# Altium PCB Copy of GameBoard_V1I1_083018.PcbDoc (part 19 of 21) (continued)
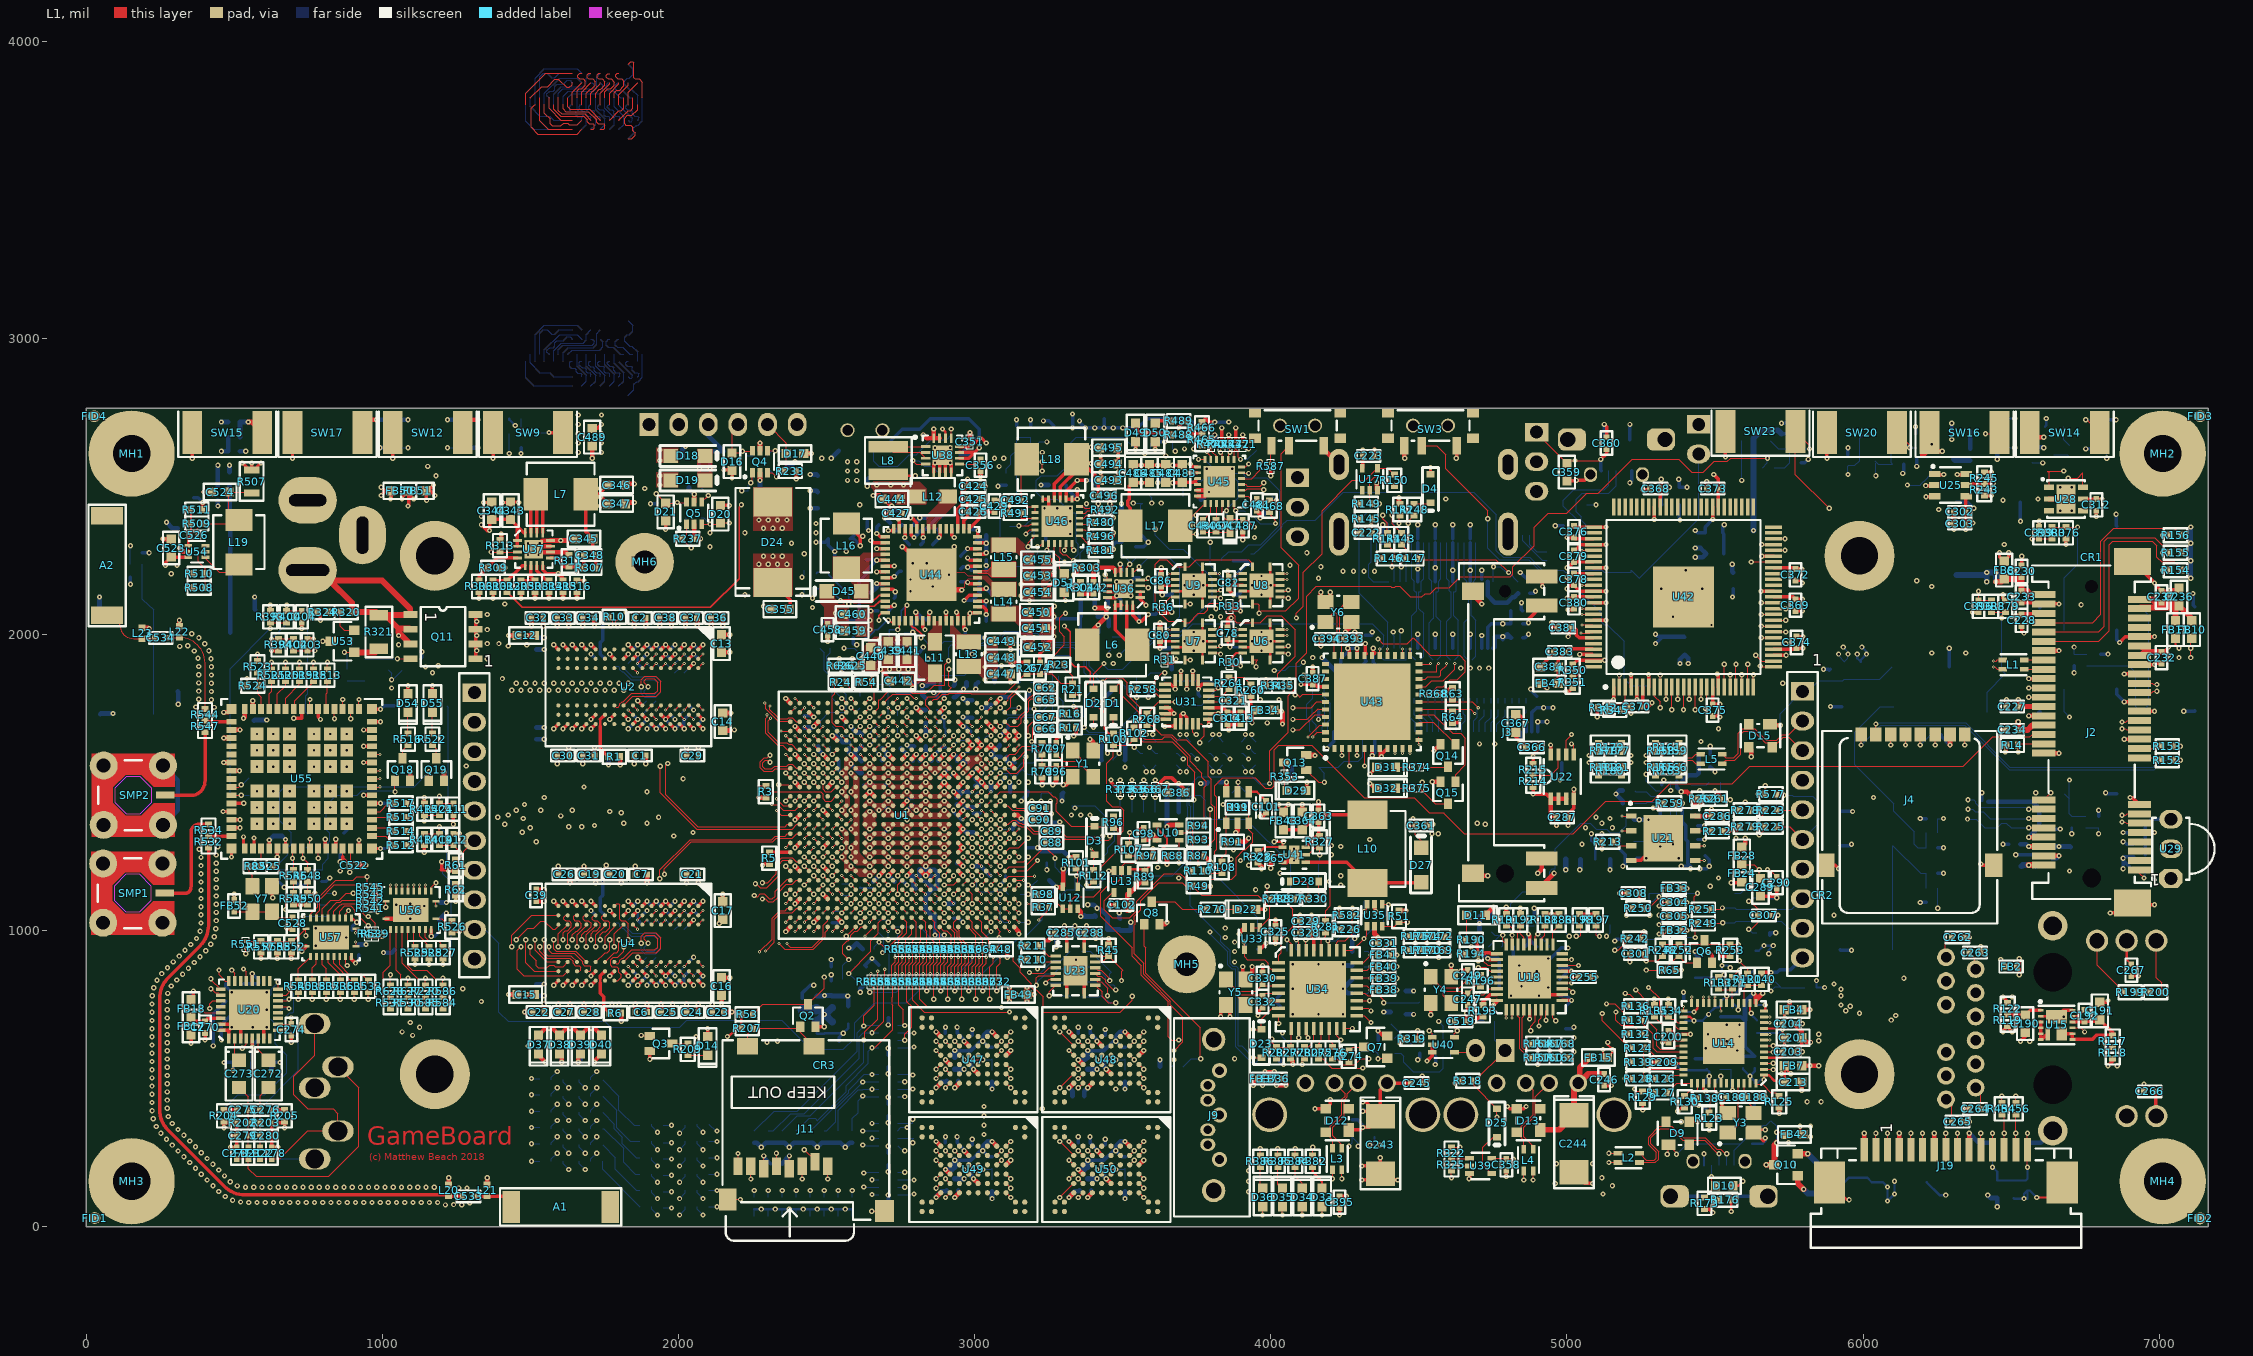
[diagram p0: L1 view]
## Nets (pads, with @x,y where several pads share a name; then routed paths per layer and width w, separated by ;. In a path a pad name is that pad's centre, name@x,y a point inside that pad or via, vN(x,y) a via of type N, cw(c..) or ccw(c..) an arc to the next point about the centre after c; other vN are vias at no path point) (continued)
  L11 w3.94: v5(4181.1,1803.15) v6(4181.1,1822.83)
  L12 w3.94: v6(4181.1,1822.83) D30.5@4181.1,1801.18 4181.1,1787.4 4200.79,1767.72 4200.79,1712.6 4192.91,1704.72 LCD1.37@4192.91,1671.26 ; C333.1@4401.57,799.21 v1(4425.2,799.21)
TS_X+_B: FB38.1 R290.2 U34.21 | length 106.5
  L1 w3.94: U34.21@4290.35,813.98 4323.82,813.98 v1(4338.58,799.21) FB38.1@4362.2,799.21
  L12 w3.94: R290.2@4314.96,787.4 4326.77,787.4 v1(4338.58,799.21)
TS_X-: C334.1 D30.1 FB39.2 LCD1.38 | length 1349.7
  L1 w3.94: FB39.2@4401.57,838.58 v1(4425.2,838.58)
  L10 w3.94: v5(4149.61,1779.53) 4149.61,1774.8 4145.92,1771.11 4145.92,1764.15 4129.02,1747.25 4129.02,1742.51 4121.06,1734.56 4121.06,1732.81 4120.54,1732.28 4121.06,1731.76 4121.06,1693.44 4118.11,1690.48 4118.11,1583.35 4170.95,1530.51 4193.74,1530.51 4358.27,1365.98 4358.27,1355.01 4407.7,1305.58 4407.7,1144.96 4417.32,1135.34 4417.32,1062.32 4393.03,1038.02 4393.03,1003.94 4455.71,941.25 4455.71,907.95 4442.45,894.68 4421.05,894.68 4410.43,884.07 4410.43,853.35 v1(4425.2,838.58)
  L11 w3.94: v5(4149.61,1779.53) v6(4169.29,1779.53)
  L12 w3.94: v6(4169.29,1779.53) 4182.6,1766.22 D30.1@4182.6,1742.12 4182.6,1700.31 4173.23,1690.94 LCD1.38@4173.23,1671.26 ; C334.1@4401.57,838.58 v1(4425.2,838.58)
TS_X-_B: FB39.1 R291.2 U34.22 | length 96.3
  L1 w3.94: U34.22@4290.35,839.57 4337.6,839.57 v1(4338.58,838.58) FB39.1@4362.2,838.58
  L12 w3.94: R291.2@4314.96,839.57 4337.6,839.57 v1(4338.58,838.58)
TS_Y+: C336.1 D30.4 FB41.2 LCD1.40 | length 1346.3
  L1 w3.94: FB41.2@4401.57,917.32 v1(4425.2,917.32)
  L10 w3.94: v5(4157.48,1807.09) 4149.02,1798.62 4141.7,1798.62 4129.92,1786.85 4129.92,1770.42 4113.27,1753.77 4113.27,1749.04 4105.31,1741.08 4105.31,1739.33 4102.36,1736.38 4102.36,1728.19 4105.31,1725.24 4105.31,1699.96 4102.36,1697.01 4102.36,1576.83 4164.43,1514.76 4187.22,1514.76 4342.52,1359.46 4342.52,1342.12 4360.29,1324.34 4360.29,1119.83 4331.01,1090.55 4331.01,1029.13 4414.76,945.38 4414.76,924.5 4419.37,919.89 4425.89,919.89 4430.51,924.5 4433.07,921.94 4428.46,917.32 v1(4425.2,917.32)
  L11 w3.94: v6(4141.73,1822.83) v5(4157.48,1807.09)
  L12 w3.94: LCD1.40@4133.86,1671.26 4132.36,1672.76 4132.36,1706.22 4122.05,1716.54 4122.05,1763.78 4141.73,1783.46 D30.4@4141.73,1801.18 v6(4141.73,1822.83) ; C336.1@4401.57,917.32 v1(4425.2,917.32)
TS_Y+_B: FB41.1 R293.2 U34.24 | length 111.4
  L1 w3.94: U34.24@4290.35,890.75 4312.01,890.75 v1(4338.58,917.32) FB41.1@4362.2,917.32
  L12 w3.94: R293.2@4314.96,929.13 4326.77,929.13 v1(4338.58,917.32)
TS_Y-: C335.1 D30.3 FB40.2 LCD1.39 | length 1237.1
  L1 w3.94: FB40.2@4401.57,877.95 v1(4425.2,877.95)
  L10 w3.94: v5(4140.24,1742.6) 4128.94,1731.3 4128.94,1690.18 4125.98,1687.22 4125.98,1586.61 4174.21,1538.39 4197,1538.39 4381.89,1353.5 4381.89,1342.52 4415.57,1308.84 4415.57,1291.34 4437.01,1269.9 4437.01,1161.42 4427.78,1152.19 4427.78,1061.64 4404.16,1038.02 4404.16,1003.94 4463.58,944.51 4463.58,904.68 4436.85,877.95 v1(4425.2,877.95)
  L11 w3.94: v5(4140.24,1742.6) v6(4140.24,1762.28)
  L12 w3.94: v6(4140.24,1762.28) D30.3@4140.24,1742.12 4140.24,1706.22 4153.54,1692.91 LCD1.39@4153.54,1671.26 ; C335.1@4401.57,877.95 v1(4425.2,877.95)
TS_Y-_B: FB40.1 R292.2 U34.23 | length 100.8
  L1 w3.94: U34.23@4290.35,865.16 4325.79,865.16 v1(4338.58,877.95) FB40.1@4362.2,877.95
  L12 w3.94: R292.2@4314.96,877.95 v1(4338.58,877.95)
UART1_CTS: Q5.4 R236.1 R239.1 U1.G21 | length 2180.3
  L1 w3.66: Q5.4@2078.74,2446.85 v1(2100.39,2468.5) ; v2(2929.13,1122.05) U1.G21@2944.88,1137.8
  L10 w3.66: v1(2100.39,2468.5) 2158.48,2468.5 2192.91,2434.07 2192.91,2344.33 2158.03,2309.44 2158.03,2272.91 2236.59,2194.35 2280.64,2194.35 2340.41,2134.57 2340.41,2097.93 2503.81,1934.53 2503.81,1769.32 2511.41,1761.72 2511.41,1708.67 2566.25,1653.83 2566.25,1648.03 2572.54,1641.73 2661.35,1641.73 2667.89,1648.28 2667.89,1662.89 2669.51,1664.51 2700.15,1664.51 2724.62,1688.98 2803.15,1688.98 2817.91,1674.21 2817.91,1425.2 2820.02,1423.09 2820.02,1394.82 2807.09,1381.89 2807.09,1192.91 2820.02,1179.98 2820.02,1178.98 2829.71,1169.29 2905.51,1169.29 2929.13,1145.67 v2(2929.13,1122.05)
  L12 w3.66: R236.1@2074.8,2496.06 2100.39,2470.47 v1(2100.39,2468.5) 2076.77,2444.88 R239.1@2076.77,2433.07
UART1_CTS_FTDI: D20.1 J16.6 Q5.3 R239.2 | length 718.3
  L1 w3.66: Q5.3@2078.74,2372.05 v1(2106.3,2372.05) 2137.8,2372.05 D20.1@2141.73,2375.98 v1(2171.26,2375.98)
  L10 w3.66: v1(2171.26,2375.98) 2074.8,2472.44 2074.8,2488.19 2125.98,2539.37 2125.98,2566.93 2145.67,2586.61 2267.72,2586.61 2389.76,2708.66 J16.6@2400.79,2708.66
  L12 w3.66: R239.2@2076.77,2393.7 2084.65,2393.7 v1(2106.3,2372.05)
UART1_RTS: Q5.1 R237.1 R240.1 U1.G20 | length 2116
  L1 w3.66: Q5.1@2027.56,2372.05 2027.56,2338.58 R237.1@2011.81,2322.83 v1(2043.31,2291.34) ; v2(2897.64,1153.54) 2929.13,1153.54 U1.G20@2944.88,1169.29
  L10 w3.66: v1(2043.31,2291.34) 2070.54,2291.34 2096.98,2317.78 2130.17,2317.78 2150.43,2297.52 2150.43,2269.76 2233.44,2186.75 2277.49,2186.75 2332.82,2131.43 2332.82,2094.78 2496.21,1931.38 2496.21,1766.18 2503.81,1758.58 2503.81,1705.52 2558.65,1650.69 2558.65,1644.88 2571.62,1631.91 2619.06,1631.91 2639.61,1611.36 2651.73,1611.36 2660.3,1619.93 2660.3,1629.93 2687.27,1656.91 2703.3,1656.91 2727.49,1681.1 2767.72,1681.1 2787.4,1661.42 2787.4,1274.46 2798.94,1262.92 2798.94,1185.31 2830.71,1153.54 v2(2897.64,1153.54)
  L12 w3.66: R240.1@2025.59,2393.7 2025.59,2356.3 2043.31,2338.58 v1(2043.31,2291.34)
UART1_RTS_FTDI: D21.1 J16.2 Q5.6 R238.1 R240.2 | length 468.8
  L1 w3.66: v1(1925.2,2474.41) D21.1@1956.69,2442.91 1994.09,2442.91 v1(1996.06,2444.88) 2025.59,2444.88 Q5.6@2027.56,2446.85
  L10 w3.66: v1(1925.2,2474.41) 1966.54,2474.41 2000.79,2508.66 J16.2@2000.79,2708.66
  L12 w3.66: R238.1@1968.5,2444.88 v1(1996.06,2444.88) 2013.78,2444.88 R240.2@2025.59,2433.07
UART1_RXD: Q4.1 R231.1 R234.1 U1.M3 | length 1442.6
  L1 w3.66: v1(2244.09,2511.81) 2250,2517.72 Q4.1@2250,2545.28 ; v2(2771.65,1720.47) U1.M3@2787.4,1704.73
  L10 w3.66: v1(2214.14,2484.35) 2214.14,2456.15 2227.22,2443.07 2227.22,2378.01 2232.28,2372.95 2224.08,2364.74 2215.2,2364.74 2202.18,2351.73 2202.18,2342.85 2165.63,2306.3 2165.63,2276.06 2239.74,2201.95 2283.79,2201.95 2348.01,2137.72 2348.01,2101.08 2511.41,1937.68 2511.41,1772.47 2519.01,1764.87 2519.01,1714.4 2560.18,1673.23 2598.49,1673.23 2604.97,1666.75 2634.26,1666.75 2639.61,1672.11 2697,1672.11 2721.75,1696.85 2748.03,1696.85 v2(2771.65,1720.47)
  L12 w3.66: v1(2214.14,2484.35) 2214.24,2484.25 R231.1@2236.22,2484.25 2236.22,2503.94 v1(2244.09,2511.81) 2251.97,2519.69 R234.1@2251.97,2562.99
UART1_RXD_FTDI: D16.1 J16.4 Q4.6 R234.2 | length 218.7
  L1 w3.66: J16.4@2200.79,2708.66 2181.1,2688.98 D16.1@2181.1,2612.2 2210.63,2612.2 v1(2216.54,2618.11) 2248.03,2618.11 Q4.6@2250,2620.08
  L12 w3.66: v1(2216.54,2618.11) 2232.28,2602.36 R234.2@2251.97,2602.36
UART1_TXD: Q4.4 R232.1 R235.1 U1.M1 | length 1605.5
  L1 w3.66: Q4.4@2301.18,2620.08 v1(2326.77,2620.08) ; v2(2771.65,1783.47) U1.M1@2787.4,1767.72
  L10 w3.66: v1(2326.77,2620.08) 2303.15,2596.46 2303.15,2526.56 2281.65,2505.06 2280.65,2505.06 2251.97,2476.38 2251.97,2381.89 2227.22,2357.15 2218.35,2357.15 2209.78,2348.58 2209.78,2339.7 2173.23,2303.15 2173.23,2279.2 2242.88,2209.55 2286.93,2209.55 2355.61,2140.87 2355.61,2104.22 2519.01,1940.83 2519.01,1775.62 2527.56,1767.07 2527.56,1723.41 2545.12,1705.85 2589.43,1705.85 2597.43,1697.85 2597.43,1685.04 2608.11,1674.35 2620.23,1674.35 2628.8,1682.92 2628.8,1724.29 2640.73,1736.22 2657.48,1736.22 2704.73,1783.47 v2(2771.65,1783.47)
  L12 w3.66: R235.1@2299.21,2602.36 2316.93,2620.08 v1(2326.77,2620.08) 2344.49,2620.08 R232.1@2362.2,2602.36
UART1_TXD_FTDI: D17.1 J16.5 Q4.3 R233.1 R235.2 | length 301.7
  L1 w3.94: J16.5@2300.79,2708.66 2364.17,2645.28 D17.1@2364.17,2610.24 2364.17,2557.09 R233.1@2358.27,2551.18 2338.58,2531.5 v1(2330.71,2531.5) 2316.93,2545.28 Q4.3@2301.18,2545.28
  L12 w3.94: R235.2@2299.21,2562.99 v1(2330.71,2531.5)
UART2_RXD: TP19.1 U1.D13 U34.32 | length 1812.9
  L1 w3.94: v3(3023.62,1405.51) U1.D13@3039.37,1389.76 ; v1(4055.12,968.5) 4068.9,954.72 U34.32@4068.9,933.07
  L3 w3.94: v4(3035.43,1393.7) 3047.24,1393.7 3058.46,1404.92 3210.81,1404.92 3219.28,1413.39 3302.63,1413.39 3325.27,1436.02 3347.96,1436.02 3358.79,1425.2 3386.35,1425.2 3456.23,1355.31 3621.06,1355.31 3649.61,1326.77 3807.64,1326.77 3810.99,1330.12 3862.12,1330.12 3867.13,1325.11 3867.13,1324.59 3875.77,1315.94 3891.42,1315.94 3909.14,1333.66 4154.53,1333.66 4203.74,1284.45 4204.72,1285.43 v1(4204.72,1286.42)
  L10 w3.94: v1(4055.12,968.5) 4075.79,989.17 4075.79,1193.9 4093.5,1211.61 4093.5,1238.19 4133.86,1278.54 4174.73,1278.54 4181.62,1271.65 4193.59,1271.65 4204.72,1282.79 v1(4204.72,1286.42)
  L2 w3.94: v3(3023.62,1405.51) v4(3035.43,1393.7)
  L12 w3.94: TP19.1@4055.12,929.13 v1(4055.12,968.5)
UART2_TXD: TP20.1 U1.C13 U34.31 | length 1773
  L1 w3.94: v3(3055.12,1405.51) U1.C13@3070.87,1389.76 ; v1(4086.61,968.5) 4094.49,960.63 U34.31@4094.49,933.07
  L3 w3.94: v4(3066.93,1393.7) 3163.39,1393.7 3178.15,1378.94 3279.32,1378.94 3328.53,1428.15 3344.7,1428.15 3355.52,1417.32 3383.08,1417.32 3453.95,1346.46 3614.17,1346.46 3641.73,1318.9 3810.9,1318.9 3814.25,1322.24 3858.86,1322.24 3859.25,1321.85 3859.25,1321.33 3872.51,1308.07 3894.69,1308.07 3912.4,1325.79 3931.31,1325.79 3931.36,1325.74 3931.41,1325.79 4130.91,1325.79 4200.79,1255.91 v1(4204.72,1255.91)
  L10 w3.94: v1(4086.61,968.5) 4083.66,971.46 4083.66,1190.64 4101.38,1208.35 4101.38,1234.93 4137.12,1270.67 4171.47,1270.67 4186.23,1255.91 v1(4204.72,1255.91)
  L2 w3.94: v3@3055.12,1405.51 v4(3066.93,1393.7)
  L12 w3.94: v1(4086.61,968.5) 4086.61,937.01 TP20.1@4094.49,929.13
UART3_CTS: R531.1 U1.D25 | length 2505.4
  L1 w3.66: U1.D25@3039.37,1011.81 v2(3055.12,996.06)
  L1 w3.94: R531.1@1027.56,736.22 1047.24,755.91 v1(1055.12,755.91)
  L10 w3.66: v1(1055.12,755.91) 1067.07,767.85 1105.44,767.85 1108.12,770.53 1173.17,770.53 1177.96,775.31 1185.42,767.85 1212.8,767.85 1219.14,774.19 1237.55,774.19 1257.03,754.72 1257.03,744.84 1337.92,663.96 1387.22,663.96 1460.63,590.55 1740.43,590.55 1776.28,554.7 1816.7,554.7 1860.01,511.4 1997.9,511.4 2100.67,614.17 2276.92,614.17 2290.51,600.58 2365.23,600.58 2413.19,648.54 2413.39,648.54 2425.75,660.9 2425.75,680.6 2495.83,750.69 2523.31,750.69 2583.83,811.21 2583.83,816.11 2598.43,830.71 2618.04,830.71 2649.79,862.45 2660.73,862.45 2708.66,910.38 v2(2708.66,968.5)
  L12 w3.66: v2(2708.66,968.5) 2708.66,996.06 2724.41,1011.81 2814.96,1011.81 2866.14,960.63 3019.69,960.63 v2(3055.12,996.06)
UART3_RTS: R530.1 R673.1 U1.F23 | length 2595.9
  L1 w3.94: R530.1@1086.61,736.22 1106.3,755.91 v1(1114.17,755.91) ; U1.F23@2976.38,1074.8 v2(2992.13,1059.06) ; R673.1@3051.18,837.2 3051.18,877.95 3062.99,889.76 v3(3062.99,909.45)
  L3 w3.94: v2(2992.13,1059.06) 3000,1051.18 3000,1008.55 3008.01,1000.54 3008.01,986.53 3057.26,937.28 3060.33,937.28 3062.99,934.62 v4(3062.99,930.51)
  L10 w3.66: v1(1114.17,755.91) v1@1118.11,755.91
  L10 w3.94: v1@1118.11,755.91 1138.48,735.53 1213.29,735.53 1409.45,539.37 1740.83,539.37 1748.71,531.5 1807.09,531.5 1850.39,488.19 2007.51,488.19 2110.29,590.96 2267.3,590.96 2280.9,577.37 2374.84,577.37 2475.69,678.22 2475.69,679.64 2489.99,693.94 2522.87,693.94 2557.97,729.04 2571.01,729.04 2613.63,771.65 2618.11,771.65 2628.94,782.48 2628.94,806.38 2627.54,807.78 2659.29,839.52 2670.23,839.52 2800.2,969.49 2872.26,969.49 2914.37,969.49 2925.2,980.31 2925.2,992.13 2945.87,1012.8 2978.23,1012.8 2992.13,1026.69 v2(2992.13,1059.06)
  L2 w3.94: v3(3062.99,909.45) v4(3062.99,930.51)
UART3_RXD: R585.1 U1.G22 | length 2313.3
  L1 w3.66: U1.G22@2944.88,1106.3 v2(2960.63,1122.05)
  L1 w3.94: R585.1@1145.67,736.22 1165.35,755.91 v1(1169.29,755.91)
  L10 w3.66: v1(1169.29,755.91) 1173.64,760.26 1215.95,760.26 1222.29,766.59 1234.4,766.59 1249.43,751.57 1249.43,741.7 1334.77,656.36 1384.08,656.36 1457.48,582.95 1737.29,582.95 1773.13,547.11 1813.55,547.11 1856.86,503.8 2001.05,503.8 2103.82,606.57 2273.77,606.57 2287.36,592.98 2368.37,592.98 2409.25,633.86 2409.45,633.86 2433.35,657.76 2433.35,677.46 2498.98,743.09 2549.9,743.09 2551.18,744.37 2563.27,744.37 2591.43,772.53 2591.43,812.97 2601.57,823.11 2621.19,823.11 2652.94,854.85 2663.88,854.85 2831.85,1022.83 2881.68,1022.83 2891.58,1012.93 2903.7,1012.93 2906.24,1015.47 2918.98,1015.47 2933.07,1029.56 2933.07,1094.49 v2(2960.63,1122.05)
UART3_TXD: R584.1 U1.F22 | length 2213.4
  L1 w3.66: v2(2960.63,1090.55) U1.F22@2976.38,1106.3
  L1 w3.94: R584.1@1204.72,736.22 1220.47,751.97 v1(1228.35,751.97)
  L10 w3.66: 2412.46,626.12 2440.94,654.61 2440.94,665.91 2476.71,701.68 2519.67,701.68 2554.77,736.77 2566.42,736.77 2599.03,769.38 2599.03,809.82 2604.72,815.51 2624.34,815.51 2656.08,847.25 2667.02,847.25 2835,1015.23 2878.54,1015.23 2888.43,1005.33 2906.84,1005.33 2909.38,1007.87 2922.13,1007.87 2944.88,1030.63 2944.88,1074.8 v2(2960.63,1090.55)
  L10 w3.94: v1(1228.35,751.97) 1228.35,751.84 1405.38,574.8 1717.73,574.8 1731.3,561.23 1731.3,560.04 1751.97,539.37 1810.35,539.37 1853.66,496.06 2004.25,496.06 2107.03,598.84 2270.56,598.84 2284.16,585.24 2371.58,585.24 2412.46,626.12
UART5_CTS: R581.1 R628.1 | length 3236.6
  L1 w3.94: R628.1@1027.56,814.96 v1(1027.56,850.39)
  L3 w3.66: v1(1027.56,850.39) 1059.06,818.9 1205.72,818.9 1227.22,840.4 1227.22,850.14 1239.19,862.11 1239.19,985.28 1237.62,986.86 1237.62,1005.27 1239.19,1006.84 1239.19,1086.58 1233.41,1092.37 1233.41,1152.97 1217.36,1169.01 1217.36,1170.11 1179.98,1207.5 1179.98,1316.78 1207.54,1344.34 1207.54,1376.01 1170.41,1413.13 1170.41,1468.63 1179.98,1478.19 1179.98,1544.75 1165.22,1559.52 1165.22,1606.44 1125.98,1645.67 1125.98,1890.76 1160.92,1925.7 1320.4,1925.7 1339.44,1944.74 1358.13,1944.74 1371.2,1957.81 1371.2,1978.53 1391.78,1999.1 1398.39,1999.1 1417.85,2018.56 1425.11,2018.56 1461.67,2055.12 1948.96,2055.12 1964.84,2071 2160.92,2071 2180.88,2051.04 2350.53,2051.04 2362.48,2039.09 2376.39,2039.09 2412.52,2002.97 2412.52,1989.06 2524.11,1877.46 2524.11,1861.04 2551.18,1833.97 v2(2551.18,1814.96)
  L12 w3.66: R581.1@2480.32,1688.98 2480.32,1708.66 2507.87,1736.22 2559.06,1736.22 2566.93,1744.09 2566.93,1795.28 2551.18,1811.02 v2(2551.18,1814.96)
UART5_RTS: R626.2 R627.1 | length 2895.6
  L1 w3.94: R627.1@1086.61,814.96 v1(1086.61,838.58) ; R626.2@2527.56,1893.7 2527.56,1897.64 v1@2547.24,1917.32
  L3 w3.94: v1(1086.61,838.58) 1133.86,885.83 1133.86,982.9 1186.02,1035.07 1186.02,1103.25 1157.48,1131.79 1157.48,1173.9 1165.35,1181.78 1165.35,1187.81 1156.5,1196.67 1156.5,1376.19 1143.34,1389.35 1143.34,1401.84 1118.11,1427.07 1118.11,1551.18 1070.87,1598.43 1070.87,1859.45 1086.61,1875.2 1086.61,1940.94 1141.73,1996.06 1278.54,1996.06 1295.28,2012.8 1330.5,2012.8 1348.22,2030.51 1396.58,2030.51 1408.12,2042.05 1415.39,2042.05 1459.95,2086.61 1478.96,2086.61 1491.76,2099.41 1525.12,2099.41 1535.95,2110.24 1542.79,2110.24 1553.62,2099.41 1572.37,2099.41 1583.2,2110.24 1590.03,2110.24 1600.86,2099.41 1619.61,2099.41 1630.44,2110.24 1637.28,2110.24 1648.1,2099.41 1783.77,2099.41 1794.6,2110.24 2154.89,2110.24 2190.6,2074.53 2360.26,2074.53 2371.79,2062.99 2385.71,2062.99 2503.82,1944.88 2519.69,1944.88 2543.31,1921.26 v1(2543.31,1917.32)
UART5_RXD: R220.1 U1.U6 | length 3179.6
  L1 w3.66: v3(2614.17,1625.98) U1.U6@2629.92,1610.24
  L1 w3.94: R220.1@1145.67,814.96 v1(1145.67,838.58)
  L3 w3.94: v1(1145.67,838.58) 1181.1,874.02 1181.1,1019.01 1193.9,1031.8 1193.9,1106.51 1166.34,1134.07 1166.34,1167.53 1173.23,1174.42 1173.23,1191.07 1164.37,1199.93 1164.37,1391.94 1125.98,1430.33 1125.98,1524.82 1149.61,1548.44 1149.61,1599.97 1110.37,1639.2 1110.37,1941.08 1149.61,1980.31 1334.13,1980.31 1346.92,1993.11 1363.71,1993.11 1385.31,2014.71 1391.92,2014.71 1411.38,2034.17 1418.65,2034.17 1463.22,2078.74 1482.23,2078.74 1495.02,2091.54 1528.39,2091.54 1539.21,2102.36 1539.53,2102.36 1550.35,2091.54 1575.63,2091.54 1586.46,2102.36 1586.77,2102.36 1597.6,2091.54 1622.87,2091.54 1633.7,2102.36 1634.02,2102.36 1644.84,2091.54 1787.03,2091.54 1797.86,2102.36 2151.63,2102.36 2187.34,2066.65 2357,2066.65 2368.53,2055.12 2382.45,2055.12 2535.01,1902.56 2546.26,1902.56 2574.8,1874.02 2574.8,1799.21 2566.93,1791.34 2566.93,1727 2565.94,1726.01 2565.94,1714.36 2561.88,1710.29 2561.88,1659.72 2566.93,1654.68 2566.93,1649.61 v4(2602.36,1614.17)
  L2 w3.94: v4(2602.36,1614.17) v3(2614.17,1625.98)
UART5_TXD: R586.1 U1.U7 | length 3171.7
  L1 w3.66: v3(2614.17,1594.49) U1.U7@2629.92,1578.74
  L1 w3.94: R586.1@1204.72,814.96 v1(1204.72,838.58)
  L3 w3.94: v1(1204.72,838.58) 1231.46,865.31 1231.46,982.08 1229.88,983.65 1229.88,1008.47 1231.46,1010.05 1231.46,1016.57 1201.77,1046.26 1201.77,1100.6 1213.31,1112.14 1213.31,1162.13 1172.24,1203.19 1172.24,1400.36 1157.48,1415.13 1157.48,1514.55 1172.24,1529.32 1172.24,1541.55 1157.48,1556.31 1157.48,1603.23 1118.25,1642.46 1118.25,1893.97 1184.91,1960.63 1325.58,1960.63 1348.22,1983.27 1365,1983.27 1388.57,2006.84 1395.18,2006.84 1414.64,2026.3 1421.91,2026.3 1466.48,2070.87 1485.49,2070.87 1498.28,2083.66 1531.65,2083.66 1539.37,2091.38 1547.09,2083.66 1578.89,2083.66 1586.61,2091.38 1594.34,2083.66 1626.14,2083.66 1633.86,2091.38 1641.58,2083.66 1790.3,2083.66 1801.12,2094.49 2148.37,2094.49 2184.08,2058.78 2353.74,2058.78 2365.68,2046.83 2379.6,2046.83 2535.43,1891 2535.43,1862.2 2566.93,1830.71 2566.93,1809.83 2557.3,1800.2 2544.29,1800.2 2536.42,1792.32 2536.42,1705.71 2551.18,1690.94 2551.18,1654.22 2559.06,1646.34 2561.02,1644.38 2582.68,1622.72 2582.68,1615.37 2602.36,1595.68 v4(2602.36,1582.68)
  L2 w3.94: v4(2602.36,1582.68) v3(2614.17,1594.49)
USB0_CHD: TP1.1 U1.B8 | length 143.2
  L1 w3.94: U1.B8@3102.36,1547.24 3118.11,1531.5 3141.73,1531.5 3165.35,1555.12 3165.35,1578.74 v1(3173.23,1586.61)
  L12 w3.94: TP1.1@3145.67,1590.55 3169.29,1590.55 v1(3173.23,1586.61)
USB0_ID: D10.1 J5.4 R173.1 R176.2 U1.T4 U39.2 | length 5545
  L1 w3.66: U1.T4@2661.42,1673.23 v3(2677.16,1657.48)
  L1 w3.94: v1(4641.73,204.72) U39.2@4671.26,204.72 ; v1(5488.19,169.29) 5488.19,122.05 R173.1@5464.57,98.43 5468.5,94.49 R176.2@5507.87,94.49
  L3 w3.94: v4(2688.98,1669.29) 2707.47,1669.29 2735.03,1641.73 2779.53,1641.73 2819.88,1601.38 2819.88,1588.37 2828.53,1579.73 2846.46,1579.73 2903.75,1579.72 2935.25,1579.73 2944.88,1589.36 2944.88,1602.36 2952.76,1610.24 2968.5,1610.24 2976.38,1618.11 2976.38,1633.86 2991.14,1648.62 2991.14,1701.62 2991.14,1737.94 2995.75,1742.55 2995.75,1751.66 3033.4,1789.31 3032.09,1790.63 3032.09,1799.92 3038.66,1806.5 3047.95,1806.5 3049.27,1805.18 3076.56,1832.47 3107.28,1832.47 3115.93,1823.82 3128.16,1823.82 3142.25,1837.91 3310.35,1837.91 3342.52,1870.08 3601.01,1870.08 3615.77,1884.84 3670.95,1884.84 3673.9,1881.89 3681.88,1881.89 3690.74,1890.75 3742.34,1890.75 3762.02,1871.06 3907.01,1871.06 3909.97,1874.02 3994.87,1874.02 4005.7,1863.19 4017.93,1863.19 4028.75,1874.02 4098.43,1874.02 v1(4110.24,1862.2)
  L10 w3.94: v1(4110.24,1862.2) 4086.61,1862.2 4082.68,1866.14 4061.8,1866.14 4031.5,1835.84 4031.5,1811.02 4051.18,1791.34 4051.18,1715.86 4059.06,1707.99 4059.06,1571.16 4051.18,1563.29 4051.18,1552.84 4086.61,1517.41 4086.61,1489.54 4126.35,1449.8 4167.53,1449.8 4176.18,1441.15 4176.18,1430.02 4295.28,1310.92 4295.28,1134.53 4279.53,1118.79 4279.53,1091.75 4290.35,1080.92 4290.35,1068.69 4279.53,1057.86 4279.53,989.38 4268.7,978.56 4268.7,966.33 4277.35,957.68 4285.22,957.68 4287.4,955.5 4287.4,678.36 4290.35,675.41 4290.35,663.18 4271.86,644.69 4230.11,644.69 4221.46,636.04 4221.46,634.84 4220.47,633.86 4208.66,633.86 4153.54,578.74 4157.48,574.8 4157.48,562.99 4122.05,527.56 4086.61,527.56 4078.33,519.27 4078.33,452.3 4121.91,408.72 4121.91,378.09 4161.42,338.58 4161.42,169.29 4208.66,122.05 4444.88,122.05 4535.43,212.6 4633.86,212.6 v1(4641.73,204.72) 4708.66,204.72 4748.03,165.35 4748.03,154.22 4823.51,78.74 5188.3,78.74 5208.97,99.41 5215.55,99.41 5216.54,98.43 5228.35,98.43 5307.09,177.17 5480.31,177.17 v1(5488.19,169.29)
  L2 w3.94: v3(2677.16,1657.48) v4(2688.98,1669.29)
  L12 w3.94: v1(5488.19,169.29) J5.4@5488.19,207.68
USB0_ID_BUFF: D25.1 U39.4 | length 162.4
  L1 w3.94: U39.4@4746.06,179.13 4716.54,208.66 4716.54,267.72 4751.21,302.39 D25.1@4763.78,302.39
USB0_ID_BUFF_EN: R19.2 R325.2 U1.H21 | length 2641
  L1 w3.66: v2(2897.64,1122.05) U1.H21@2913.39,1137.8 ; v1(4610.24,165.35) R325.2@4610.24,188.98
  L3 w3.66: v2(2897.64,1122.05) 2906.63,1113.05 2906.96,1113.05 2920.14,1099.87 2920.14,1099.55 2925.2,1094.49 2925.2,1078.74 2944.88,1059.06 2944.88,1022.62 2954.57,1012.93 2971.32,1012.93 2977.48,1006.77 2977.48,987.09 3028.29,936.28 3028.29,925.92 3034.78,919.43 3063.79,919.43 3110.33,872.89 3209.78,872.89 v1(3212.6,870.08)
  L10 w3.66: v1(3212.6,870.08) 3212.6,850.39 3225.53,837.46 3225.53,471.32 3326.77,370.08 3425.2,370.08 3476.38,318.9 3476.38,291.34 3496.06,271.65 3496.06,169.29 3551.18,114.17 3705.59,114.17 3764.51,55.26 4468.64,55.26 4566.93,153.54 4598.43,153.54 v1(4610.24,165.35)
  L12 w3.66: R19.2@2866.14,1090.55 v2(2897.64,1122.05)
USB0_ID_BUFF_EN_R: R322.1 R325.1 U39.1 | length 61.8
  L1 w3.94: R322.1@4610.24,228.35 4669.29,228.35 U39.1@4671.26,230.32
USB0_N: R160.2 R162.2 U1.B6 | length 2888
  L1 w3.94: U1.B6@3102.36,1610.24 v3(3118.11,1625.98) ; v1(4940.94,594.49) 4960.63,574.8 R160.2@4960.63,570.87
  L3 w3.94: v4(3129.92,1614.17) 3142.72,1601.38 3179.34,1601.38 3183.93,1596.79 3186.67,1596.79 3216.54,1566.93 3314.96,1566.93 3377.95,1503.94 3414.06,1503.94 3437.68,1480.31 3481.51,1480.31 3506.89,1454.93 3506.89,1438.67 3520.36,1425.2 3717.52,1425.2 3724.41,1418.31 3752.95,1418.31 3759.84,1425.2 3817.7,1425.2 3832.47,1439.96 4060.04,1439.96 4083.66,1416.34 4083.66,1415.82 4096.92,1402.56 4115.68,1402.56 4119.61,1406.5 4397.27,1406.5 4451.4,1460.63 4587.97,1460.63 4678.52,1370.08 4688.98,1370.08 v1(4696.85,1362.2) ; v1(4940.94,594.49) v1@4940.94,602.36
  L10 w3.94: v1(4696.85,1362.2) 4696.85,1315.64 4717.21,1295.28 4783.46,1295.28 4866.14,1212.6 4866.14,1047.24 4844.83,1025.93 4844.83,978.01 4807.09,940.27 4804.78,937.96 4804.78,903.88 4807.09,901.57 4807.09,814.96 4830.71,791.34 4830.71,634.53 4847.13,618.11 4893.7,618.11 4917.32,641.73 4944.88,641.73 4956.69,629.92 4956.69,610.24 v1(4940.94,594.49)
  L2 w3.94: v3(3118.11,1625.98) v4(3129.92,1614.17)
USB0_OTG_L_N: D9.4 J5.2 L2.2 | length 506.8
  L1 w3.94: L2.2@5245.08,248.03 5268.7,224.41 5295.28,224.41 5301.52,230.65 5301.52,250.34 5275.59,276.27 5275.59,302.47 5311.7,338.58 5354.33,338.58 5393.7,299.21 5467.83,299.21 5506.21,260.83 5519.89,260.83 5534.66,246.06 v1(5539.37,246.06)
  L12 w3.94: J5.2@5539.37,207.68 v1(5539.37,246.06)
USB0_OTG_L_P: D9.2 J5.3 L2.1 | length 468.2
  L1 w3.94: L2.1@5245.08,216.54 5298.54,216.54 5309.39,227.39 5309.39,253.6 5283.46,279.53 5283.46,299.21 5314.96,330.71 5351.07,330.71 5390.44,291.34 5464.57,291.34 5509.84,246.06 v1(5513.78,246.06)
  L12 w3.94: J5.3@5513.78,207.68 v1(5513.78,246.06)
USB0_OTG_N: L2.3 R162.1 | length 539.9
  L1 w3.94: R162.1@5000,570.87 5003.94,570.87 v1(5023.62,590.55) ; v1(5141.73,248.03) L2.3@5172.24,248.03
  L10 w3.94: v1(5023.62,590.55) 5015.75,590.55 5007.87,598.43 5007.87,570.87 4992.13,555.12 4992.13,346.46 5102.36,236.22 5129.92,236.22 v1(5141.73,248.03)
USB0_OTG_P: L2.4 R168.1 | length 583.1
  L1 w3.94: R168.1@5000,618.11 5003.94,618.11 v1(5023.62,637.8) ; v1(5141.73,216.54) L2.4@5172.24,216.54
  L10 w3.94: v1(5023.62,637.8) 5000,614.17 5000,574.13 4984.25,558.38 4984.25,343.2 5099.1,228.35 5129.92,228.35 v1(5141.73,216.54)
USB0_P: R167.2 R168.2 U1.A6 | length 2872.2
  L1 w3.94: U1.A6@3133.86,1610.24 v3(3149.61,1625.98) ; R167.2@4960.63,618.11 4960.63,614.17 v1(4980.32,594.49)
  L3 w3.94: v4(3161.42,1614.17) 3166.34,1609.25 3182.61,1609.25 3187.19,1604.67 3189.93,1604.67 3219.8,1574.8 3318.22,1574.8 3381.21,1511.81 3417.32,1511.81 3440.94,1488.19 3484.77,1488.19 3514.76,1458.2 3514.76,1441.93 3523.62,1433.07 3727.15,1433.07 3734.04,1426.18 3746.27,1426.18 3753.16,1433.07 3814.44,1433.07 3829.21,1447.83 4063.3,1447.83 4091.54,1419.6 4091.54,1419.08 4100.18,1410.43 4112.41,1410.43 4116.35,1414.37 4394.01,1414.37 4448.14,1468.5 4591.23,1468.5 4681.78,1377.95 4701.98,1377.95 4721.67,1358.27 v1(4724.41,1358.27)
  L10 w3.94: v1(4724.41,1358.27) 4716.54,1350.39 4716.54,1307.09 4720.47,1303.15 4786.73,1303.15 4874.02,1215.86 4874.02,1043.98 4852.7,1022.67 4852.7,974.75 4812.65,934.7 4812.65,907.14 4814.96,904.84 4814.96,898.31 4814.96,818.22 4838.58,794.6 4838.58,637.8 4850.39,625.98 4890.44,625.98 4914.06,649.61 4948.14,649.61 4964.57,633.18 4964.57,610.24 v1(4980.32,594.49)
  L2 w3.94: v3(3149.61,1625.98) v4(3161.42,1614.17)
USB1_HUB_N: R171.1 U18.30 | length 396.7
  L1 w3.94: v3(4448.82,944.88) 4456.69,944.88 R171.1@4468.5,933.07 ; v1(4700.79,897.64) 4716.54,897.64 4732.28,881.89 U18.30@4763.78,881.89
  L3 w3.94: v4(4460.63,956.69) 4452.76,948.82 4452.76,944.88 4460.63,937.01 4589.88,937.01 4633.18,893.7 4696.85,893.7 v1(4700.79,897.64)
  L2 w3.94: v3(4448.82,944.88) v4(4460.63,956.69)
USB1_HUB_P: R175.1 U18.31 | length 413.3
  L1 w3.94: v3(4448.82,968.5) 4456.69,968.5 R175.1@4468.5,980.31 ; v1(4700.79,874.02) 4708.66,874.02 4710.97,876.32 4726.72,876.32 4740.83,862.2 U18.31@4763.78,862.2
  L3 w3.94: v4(4437.01,956.69) 4444.88,948.82 4444.88,941.62 4457.37,929.13 4586.61,929.13 4638.78,876.97 4697.83,876.97 v1(4700.79,874.02)
  L2 w3.94: v4(4437.01,956.69) v3(4448.82,968.5)
USB1_N: R170.2 R171.2 U1.F10 | length 2170.5
  L1 w3.94: v3(2960.63,1468.51) U1.F10@2976.38,1484.25 ; v1(4488.19,956.69) 4507.87,937.01 R170.2@4507.87,933.07
  L3 w3.94: v4(2972.44,1456.69) v4@2974.41,1456.69 ; v4(2972.44,1456.69) 2980.32,1456.69 2984.25,1452.76 2984.25,1433.75 2992.8,1425.2 2992.8,1412.71 2996.06,1409.45 3003.94,1409.45 3008.86,1414.37 3033.83,1414.37 3071.94,1452.48 3177.57,1452.48 3185.71,1460.63 3342.52,1460.63 3366.14,1437.01 3406.19,1437.01 3427.78,1415.41 3477.05,1366.14 3677.84,1366.14 3701.46,1342.52 3858.27,1342.52 3866.14,1350.39 3905.51,1350.39 3913.39,1342.52 4440.43,1342.52 4455.19,1327.76 4473.94,1327.76 4480.83,1334.65 4536.42,1334.65 v1(4544.29,1326.77)
  L10 w3.94: v1(4488.19,956.69) 4503.94,972.44 4503.94,1038.69 4551.18,1085.94 4551.18,1319.88 v1(4544.29,1326.77)
  L2 w3.94: v3(2960.63,1468.51) v4(2972.44,1456.69)
USB1_P: R174.2 R175.2 U1.E10 | length 2187.6
  L1 w3.94: v3(2992.13,1468.51) U1.E10@3007.87,1484.25 ; R174.2@4507.87,980.31 4507.87,976.38 v1(4527.56,956.69)
  L3 w3.94: v4(3003.94,1480.32) 3003.94,1464.57 2999.41,1460.04 2999.29,1460.04 2992.72,1453.47 2992.72,1436.42 3006.89,1422.24 3030.57,1422.24 3068.68,1460.35 3174.3,1460.35 3182.45,1468.5 3345.78,1468.5 3369.4,1444.88 3409.45,1444.88 3480.31,1374.02 3681.1,1374.02 3704.72,1350.39 3855.01,1350.39 3862.88,1358.27 3908.77,1358.27 3916.65,1350.39 4443.69,1350.39 4458.45,1335.63 4470.68,1335.63 4477.57,1342.52 4549.42,1342.52 4565.17,1326.77 v1(4565.95,1326.77)
  L10 w3.94: v1(4527.56,956.69) 4511.81,972.44 4511.81,1035.43 4559.06,1082.68 4559.06,1319.88 v1(4565.95,1326.77)
  L2 w3.94: v3(2992.13,1468.51) v4(3003.94,1480.32)
USB_BOT_L_N: D12.2 J6.2 L3.1 | length 267.1
  L1 w3.94: L3.1@4240.16,264.76 4240.16,275.59 4208.66,307.09 4208.66,335.32 4248.03,374.69 D12.2@4248.03,412.21 ; 4248.03,413.39 4248.03,427.05 4258.66,437.68 4258.66,449.21 J6.2@4294.1,484.65